# Altium PCB PA_8CH_CTRL.PcbDoc (part 6 of 10)
Units mm, origin at the board's own origin, x right, y up, seen from the top; angles counter-clockwise.
Board outline 390 x 110 mm, 4 copper layers (Component Side, Signal Layer 1, Power Plane, Solder Side), stack 1.604 mm thick; 833 components, 525 nets, 2536 pads, 1881 vias.
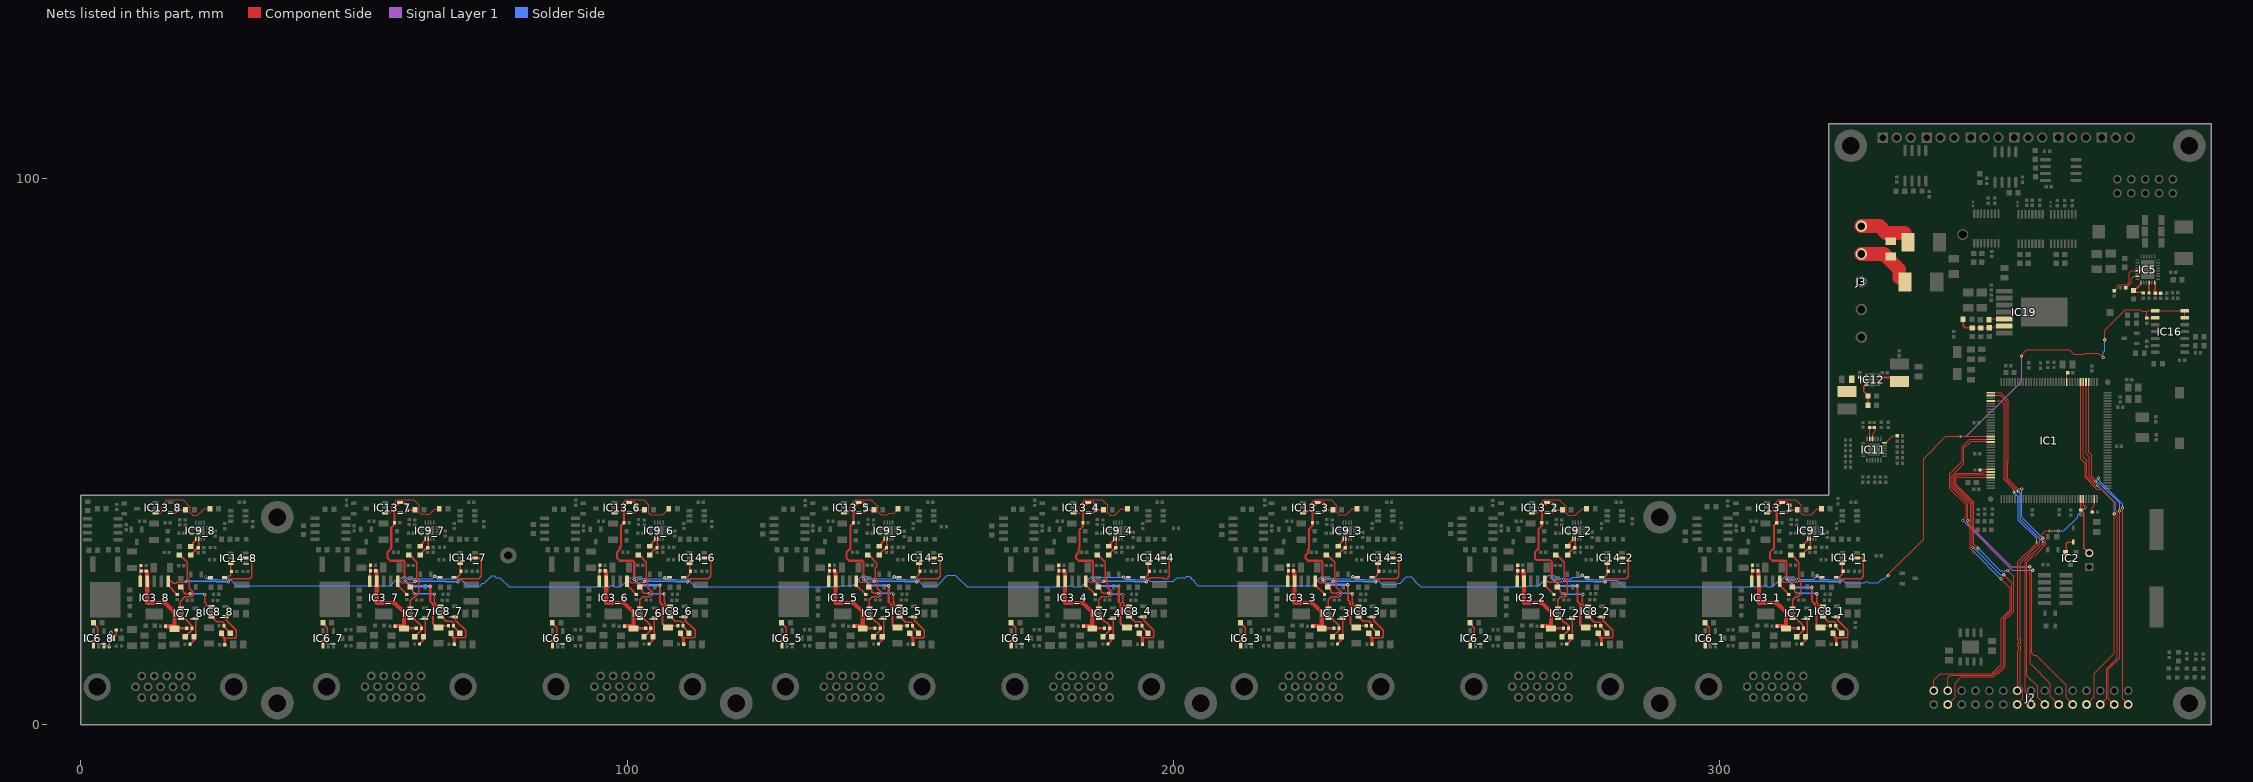
[diagram p8: the nets of this part, all layers, seen from the top]

## Via types
v1: diameter 0.6, hole 0.3, Component Side to Solder Side, tented both sides, 1530 vias
v2: diameter 0.6, hole 0.3, Component Side to Solder Side, 351 vias

## Nets (pads, with @x,y where several pads share a name; then routed paths per layer and width w, separated by ;. In a path a pad name is that pad's centre, name@x,y a point inside that pad or via, vN(x,y) a via of type N, cw(c..) or ccw(c..) an arc to the next point about the centre after c; other vN are vias at no path point) (continued)
NetC38_8_2: C38_8.2 IC6_8.3 R44_8.1 | length 7
  Component Side w0.254: IC6_8.3@4.252,14.546 4.341,14.457 5.228,14.457 5.232,14.453 v1(5.232,14.275) ; v1(5.537,16.942) 5.804,16.675 C38_8.2@5.804,15.846 6.515,16.557 R44_8.1@6.515,17.37
  Solder Side w0.254: v1(5.232,14.275) 5.232,16.637 v1(5.537,16.942)
NetC40_1_1: C40_1.1 IC8_1.3 R46_1.1 | length 5.2
  Component Side w0.254: IC8_1.3@319.042,19.751 319.916,18.877 320.958,18.877 321.251,18.584 R46_1.1@321.251,18.161 321.251,17.949 322.343,16.857 C40_1.1@322.343,16.51
NetC40_1_2: C40_1.2 IC8_1.4 R47_1.1 | length 9.2
  Component Side w0.254: 321.36,15.893 321.113,15.893 321.094,15.912 321.341,15.912 323.259,15.912 323.448,16.101 323.448,17.326 321.592,19.182 321.592,19.589 IC8_1.4@321.43,19.751
  Component Side w0.508: C40_1.2@320.743,16.51 321.341,15.912 ; 321.36,15.893 321.36,14.75 R47_1.1@321.378,14.732
NetC40_2_1: C40_2.1 IC8_2.3 R46_2.1 | length 5.2
  Component Side w0.254: IC8_2.3@276.042,19.751 277.018,18.775 278.059,18.775 278.251,18.584 R46_2.1@278.251,18.161 278.251,17.949 279.343,16.857 C40_2.1@279.343,16.51
NetC40_2_2: C40_2.2 IC8_2.4 R47_2.1 | length 9.2
  Component Side w0.254: 278.36,15.893 278.113,15.893 278.094,15.912 278.341,15.912 280.259,15.912 280.448,16.101 280.448,17.326 278.592,19.182 278.592,19.589 IC8_2.4@278.43,19.751
  Component Side w0.508: C40_2.2@277.743,16.51 278.341,15.912 ; 278.36,15.893 278.36,14.75 R47_2.1@278.378,14.732
NetC40_3_1: C40_3.1 IC8_3.3 R46_3.1 | length 5.3
  Component Side w0.254: IC8_3.3@234.042,19.751 234.042,19.646 234.761,18.928 235.907,18.928 236.251,18.584 R46_3.1@236.251,18.161 236.251,17.949 237.343,16.857 C40_3.1@237.343,16.51
NetC40_3_2: C40_3.2 IC8_3.4 R47_3.1 | length 9.2
  Component Side w0.254: 236.36,15.893 236.113,15.893 236.094,15.912 236.341,15.912 238.259,15.912 238.448,16.101 238.448,17.326 236.592,19.182 236.592,19.589 IC8_3.4@236.43,19.751
  Component Side w0.508: C40_3.2@235.743,16.51 236.341,15.912 ; 236.36,15.893 236.36,14.75 R47_3.1@236.378,14.732
NetC40_4_1: C40_4.1 IC8_4.3 R46_4.1 | length 5.2
  Component Side w0.254: IC8_4.3@192.042,19.751 192.916,18.877 193.958,18.877 194.251,18.584 R46_4.1@194.251,18.161 194.251,17.949 195.343,16.857 C40_4.1@195.343,16.51
NetC40_4_2: C40_4.2 IC8_4.4 R47_4.1 | length 9.2
  Component Side w0.254: 194.36,15.893 194.113,15.893 194.094,15.912 194.341,15.912 196.259,15.912 196.448,16.101 196.448,17.326 194.592,19.182 194.592,19.589 IC8_4.4@194.43,19.751
  Component Side w0.508: C40_4.2@193.743,16.51 194.341,15.912 ; 194.36,15.893 194.36,14.75 R47_4.1@194.378,14.732
NetC40_5_1: C40_5.1 IC8_5.3 R46_5.1 | length 5.2
  Component Side w0.254: IC8_5.3@150.042,19.75 151.017,18.775 152.059,18.775 152.251,18.584 R46_5.1@152.251,18.161 152.251,17.949 153.343,16.857 C40_5.1@153.343,16.51
NetC40_5_2: C40_5.2 IC8_5.4 R47_5.1 | length 9.2
  Component Side w0.254: 152.36,15.893 152.113,15.893 152.094,15.912 152.341,15.912 154.259,15.912 154.448,16.101 154.448,17.326 152.592,19.182 152.592,19.589 IC8_5.4@152.43,19.751
  Component Side w0.508: C40_5.2@151.743,16.51 152.341,15.912 ; 152.36,15.893 152.36,14.75 R47_5.1@152.378,14.732
NetC40_6_1: C40_6.1 IC8_6.3 R46_6.1 | length 5.2
  Component Side w0.254: IC8_6.3@108.042,19.751 108.815,18.979 109.856,18.979 110.251,18.584 R46_6.1@110.251,18.161 110.251,17.949 111.343,16.857 C40_6.1@111.343,16.51
NetC40_6_2: C40_6.2 IC8_6.4 R47_6.1 | length 9.2
  Component Side w0.254: 110.36,15.893 110.113,15.893 110.094,15.912 110.341,15.912 112.259,15.912 112.448,16.101 112.448,17.326 110.592,19.182 110.592,19.589 IC8_6.4@110.43,19.751
  Component Side w0.508: C40_6.2@109.743,16.51 110.341,15.912 ; 110.36,15.893 110.36,14.75 R47_6.1@110.378,14.732
NetC40_7_1: C40_7.1 IC8_7.3 R46_7.1 | length 5.2
  Component Side w0.254: IC8_7.3@66.042,19.751 66.865,18.928 67.907,18.928 68.251,18.584 R46_7.1@68.251,18.161 68.251,17.949 69.343,16.857 C40_7.1@69.343,16.51
NetC40_7_2: C40_7.2 IC8_7.4 R47_7.1 | length 9.2
  Component Side w0.254: 68.36,15.893 68.113,15.893 68.094,15.912 68.341,15.912 70.259,15.912 70.448,16.101 70.448,17.326 68.592,19.182 68.592,19.589 IC8_7.4@68.43,19.751
  Component Side w0.508: C40_7.2@67.743,16.51 68.341,15.912 ; 68.36,15.893 68.36,14.75 R47_7.1@68.378,14.732
NetC40_8_1: C40_8.1 IC8_8.3 R46_8.1 | length 5.2
  Component Side w0.254: IC8_8.3@24.042,19.722 24.862,18.902 25.903,18.902 26.251,18.555 R46_8.1@26.251,18.132 26.251,17.92 27.343,16.828 C40_8.1@27.343,16.481
NetC40_8_2: C40_8.2 IC8_8.4 R47_8.1 | length 9.2
  Component Side w0.254: 26.36,15.864 26.113,15.864 26.094,15.883 26.341,15.883 28.259,15.883 28.448,16.072 28.448,17.297 26.592,19.153 26.592,19.56 IC8_8.4@26.43,19.722
  Component Side w0.508: C40_8.2@25.743,16.481 26.341,15.883 ; 26.36,15.864 26.36,14.721 R47_8.1@26.378,14.703
NetC41_1_1: C41_1.1 IC7_1.4 R48_1.1 | length 5.1
  Component Side w0.254: R48_1.1@315.03,14.806 315.735,15.511 C41_1.1@315.735,16.131 316.026,16.422 316.026,19.456 IC7_1.4@315.985,19.497
NetC41_1_2: C41_1.2 IC7_1.3 R49_1.1 | length 5.1
  Component Side w0.254: IC7_1.3@313.385,19.497 314.038,19.497 314.304,19.231 314.304,19.115 314.644,18.775 314.76,18.775 315.355,18.18 R49_1.1@315.355,17.707 ; C41_1.2@314.135,16.131 315.358,17.354 R49_1.1@315.358,17.707
NetC41_2_1: C41_2.1 IC7_2.4 R48_2.1 | length 5.1
  Component Side w0.254: R48_2.1@272.03,14.806 272.735,15.511 C41_2.1@272.735,16.131 273.026,16.422 273.026,19.456 IC7_2.4@272.985,19.497
NetC41_2_2: C41_2.2 IC7_2.3 R49_2.1 | length 5.2
  Component Side w0.254: IC7_2.3@270.385,19.497 271.038,19.497 271.328,19.208 271.328,19.013 271.667,18.674 271.862,18.674 272.355,18.18 R49_2.1@272.355,17.707 ; C41_2.2@271.135,16.131 272.358,17.354 R49_2.1@272.358,17.707
NetC41_3_1: C41_3.1 IC7_3.4 R48_3.1 | length 5.1
  Component Side w0.254: R48_3.1@230.03,14.806 230.735,15.511 C41_3.1@230.735,16.131 231.026,16.422 231.026,19.456 IC7_3.4@230.985,19.497
NetC41_3_2: C41_3.2 IC7_3.3 R49_3.1 | length 5.1
  Component Side w0.254: IC7_3.3@228.385,19.497 229.038,19.497 229.24,19.296 229.24,19.242 229.579,18.902 229.633,18.902 230.355,18.18 R49_3.1@230.355,17.707 ; C41_3.2@229.135,16.131 230.358,17.354 R49_3.1@230.358,17.707
NetC41_4_1: C41_4.1 IC7_4.4 R48_4.1 | length 5.1
  Component Side w0.254: R48_4.1@188.03,14.806 188.735,15.511 C41_4.1@188.735,16.131 189.026,16.422 189.026,19.456 IC7_4.4@188.985,19.497
NetC41_4_2: C41_4.2 IC7_4.3 R49_4.1 | length 5.2
  Component Side w0.254: IC7_4.3@186.385,19.497 187.038,19.497 187.304,19.231 187.304,19.089 187.644,18.75 187.785,18.75 188.355,18.18 R49_4.1@188.355,17.707 ; C41_4.2@187.135,16.131 188.358,17.354 R49_4.1@188.358,17.707
NetC41_5_1: C41_5.1 IC7_5.4 R48_5.1 | length 5.1
  Component Side w0.254: R48_5.1@146.03,14.806 146.735,15.511 C41_5.1@146.735,16.131 147.026,16.422 147.026,19.456 IC7_5.4@146.985,19.497
NetC41_5_2: C41_5.2 IC7_5.3 R49_5.1 | length 5.1
  Component Side w0.254: IC7_5.3@144.385,19.497 145.038,19.497 145.09,19.446 145.09,19.318 145.658,18.75 145.759,18.75 146.355,18.154 R49_5.1@146.355,17.707 ; C41_5.2@145.135,16.131 146.358,17.354 R49_5.1@146.358,17.707
NetC41_6_1: C41_6.1 IC7_6.4 R48_6.1 | length 5.1
  Component Side w0.254: R48_6.1@104.03,14.806 104.735,15.511 C41_6.1@104.735,16.131 105.026,16.422 105.026,19.456 IC7_6.4@104.985,19.497
NetC41_6_2: C41_6.2 IC7_6.3 R49_6.1 | length 5.1
  Component Side w0.254: IC7_6.3@102.385,19.497 103.038,19.497 103.23,19.305 103.23,19.267 103.57,18.928 103.608,18.928 104.355,18.18 R49_6.1@104.355,17.707 ; C41_6.2@103.135,16.131 104.358,17.354 R49_6.1@104.358,17.707
NetC41_7_1: C41_7.1 IC7_7.4 R48_7.1 | length 5.1
  Component Side w0.254: R48_7.1@62.03,14.806 62.735,15.511 C41_7.1@62.735,16.131 63.026,16.422 63.026,19.456 IC7_7.4@62.985,19.497
NetC41_7_2: C41_7.2 IC7_7.3 R49_7.1 | length 5.1
  Component Side w0.254: IC7_7.3@60.385,19.497 61.038,19.497 61.27,19.266 61.27,19.166 61.609,18.826 61.709,18.826 62.355,18.18 R49_7.1@62.355,17.707 ; C41_7.2@61.135,16.131 62.358,17.354 R49_7.1@62.358,17.707
NetC41_8_1: C41_8.1 IC7_8.4 R48_8.1 | length 5.1
  Component Side w0.254: R48_8.1@20.03,14.777 20.735,15.482 C41_8.1@20.735,16.102 21.026,16.393 21.026,19.427 IC7_8.4@20.985,19.468
NetC41_8_2: C41_8.2 IC7_8.3 R49_8.1 | length 5.1
  Component Side w0.254: IC7_8.3@18.385,19.468 19.038,19.468 19.385,19.121 19.385,19.115 20.355,18.145 R49_8.1@20.355,17.678 ; C41_8.2@19.135,16.102 20.358,17.325 R49_8.1@20.358,17.678
NetC48_1_2: C48_1.2 IC9_1.14 R56_1.2 | length 3.9
  Component Side w0.254: R56_1.2@315.041,31.192 315.041,31.081 315.797,31.837 315.868,31.837 315.899,31.868 315.899,31.983 316.063,32.147 316.178,32.147 C48_1.2@316.488,32.458 ; C48_1.2@316.476,32.47 316.594,32.589 316.594,33.081 316.59,33.085 316.59,34.081 IC9_1.14@316.594,34.085
NetC48_2_2: C48_2.2 IC9_2.14 R56_2.2 | length 3.9
  Component Side w0.254: R56_2.2@272.041,31.192 272.041,31.081 272.797,31.837 272.868,31.837 272.899,31.868 272.899,31.983 273.063,32.147 273.178,32.147 C48_2.2@273.488,32.458 ; C48_2.2@273.476,32.47 273.594,32.589 273.594,33.13 273.563,33.161 273.563,34.054 IC9_2.14@273.594,34.085
NetC48_3_2: C48_3.2 IC9_3.14 R56_3.2 | length 3.9
  Component Side w0.254: R56_3.2@230.041,31.192 230.041,31.081 230.797,31.837 230.868,31.837 230.899,31.868 230.899,31.983 231.063,32.147 231.178,32.147 C48_3.2@231.488,32.458 ; C48_3.2@231.476,32.47 231.594,32.589 231.594,33.017 231.526,33.085 231.526,34.017 IC9_3.14@231.594,34.085
NetC48_4_2: C48_4.2 IC9_4.14 R56_4.2 | length 3.9
  Component Side w0.254: R56_4.2@188.041,31.192 188.041,31.081 188.797,31.837 188.868,31.837 188.899,31.868 188.899,31.983 189.063,32.147 189.178,32.147 C48_4.2@189.488,32.458 ; C48_4.2@189.476,32.47 189.594,32.589 189.594,33.107 189.514,33.186 189.514,34.005 IC9_4.14@189.594,34.085
NetC48_5_2: C48_5.2 IC9_5.14 R56_5.2 | length 3.9
  Component Side w0.254: R56_5.2@146.041,31.192 146.041,31.081 146.797,31.837 146.868,31.837 146.899,31.868 146.899,31.983 147.063,32.147 147.178,32.147 C48_5.2@147.488,32.458 ; C48_5.2@147.476,32.47 147.594,32.589 147.594,33.044 147.579,33.059 147.579,34.07 IC9_5.14@147.594,34.085
NetC48_6_2: C48_6.2 IC9_6.14 R56_6.2 | length 3.9
  Component Side w0.254: R56_6.2@104.041,31.192 104.041,31.081 104.797,31.837 104.868,31.837 104.899,31.868 104.899,31.983 105.063,32.147 105.178,32.147 C48_6.2@105.488,32.458 ; C48_6.2@105.476,32.47 105.594,32.589 105.594,32.982 105.567,33.009 105.567,34.058 IC9_6.14@105.594,34.085
NetC48_7_2: C48_7.2 IC9_7.14 R56_7.2 | length 3.9
  Component Side w0.254: R56_7.2@62.041,31.192 62.041,31.081 62.797,31.837 62.868,31.837 62.899,31.868 62.899,31.983 63.063,32.147 63.178,32.147 C48_7.2@63.488,32.458 ; C48_7.2@63.476,32.47 63.594,32.589 IC9_7.14@63.594,34.085
NetC48_8_2: C48_8.2 IC9_8.14 R56_8.2 | length 3.9
  Component Side w0.254: R56_8.2@20.041,31.163 20.041,31.052 20.828,31.839 20.899,31.839 20.899,31.954 21.063,32.118 21.178,32.118 C48_8.2@21.488,32.429 ; C48_8.2@21.476,32.441 21.594,32.56 IC9_8.14@21.594,34.056
NetC57_2: C57.2 C58.2 IC12.2 IC12.3 L1.2
NetC62_2: C62.2 IC5.14 R20.2 | length 3
  Component Side w0.254: IC5.14@379.63,80.953 379.71,80.873 379.71,79.823 379.63,79.743 379.63,79.175 C62.2@379.777,79.028 380.737,79.028 R20.2@380.742,79.022
NetC70_2: C70.2 IC19.5 | length 2.8
  Component Side w0.152: C70.2@349.325,74.195 349.43,74.3 IC19.5@352.125,74.3
NetC71_1: C71.1 C72.1 IC19.6 R30.1 R31.2 | length 9.1
  Component Side w0.152: C71.1@346.275,72.67 350.095,72.67 350.5,73.075 352.08,73.075 IC19.6@352.125,73.03
  Component Side w0.254: R31.2@344.575,74.225 344.575,73.025 344.93,72.67 C71.1@346.275,72.67
NetC73_1: C73.1 J3.4 L5.1 | length 9.6
  Component Side w2.54: J3.4@325.958,86.208 330.067,86.208 332.888,83.387 L5.1@332.888,81.837
NetC73_2: C73.2 J3.5 L4.1 | length 8.4
  Component Side w2.54: J3.5@325.958,91.288 329.26,91.288 330.486,90.061 333.836,90.061
NetD2_1_1: D2_1.1 D2_2.1 D2_3.1 D2_4.1 D2_5.1 D2_6.1 D2_7.1 D2_8.1 IC1.89 IC16.1 IC16.2 IC16.13 IC16.14 R92.2 | length 437.6
  Component Side w0.152: v1(22.835,27.076) 22.931,26.98 D2_8.1@23.748,26.98 ; v1(64.821,27.229) 65.583,27.229 D2_7.1@65.634,27.178 ; D2_7.1@65.71,27.047 D2_7.1@65.748,27.009 ; v1(106.909,26.949) 107.688,26.949 D2_6.1@107.748,27.009 ; v1(148.92,27.102) 149.655,27.102 D2_5.1@149.748,27.009 ; v1(190.83,27.051) 191.706,27.051 D2_4.1@191.748,27.009 ; v1(232.867,27.102) 233.655,27.102 D2_3.1@233.748,27.009 ; v1(274.845,27.39) 275.057,27.178 D2_2.1@275.59,27.178 ; v1(317.856,27.28) 318.126,27.009 D2_1.1@318.748,27.009 ; v1(330.86,27.33) 330.86,27.534 337.337,34.011 337.337,48.743 341.389,52.795 v1(343.992,52.795) IC1.89@349.624,52.795 ; v1(355.249,67.5) 355.249,67.692 356.25,68.693 363.972,68.693 364.842,67.823 366.825,67.823 367.03,68.028 369.207,68.028 369.397,67.838 369.662,67.838 370.142,67.358 370.142,67.142 v1(370.25,67.25) ; v2(370.5,70.5) 370.5,72.25 374.25,76 377,76 377.329,75.671 378.175,75.671 ; IC16.2@379.724,74.54 379.654,74.47 R92.2@378.175,74.47 378.175,75.671 ; IC16.13@385.124,74.54 IC16.14@385.124,75.81 IC16.1@379.724,75.81 378.314,75.81 378.175,75.671
  Signal Layer 1 w0.152: v1(343.992,52.795) 345.179,52.795 355.321,62.936 355.321,67.429 v1(355.249,67.5)
  Solder Side w0.152: v1(22.835,27.076) 23.266,26.645 24.963,26.645 25.065,26.543 26.659,26.543 26.832,26.716 27.27,26.716 28.486,25.5 54.963,25.5 55.402,25.5 ; 55.402,25.5 56.691,25.5 57.941,26.75 58.565,26.75 58.963,27.148 59.401,27.148 59.799,26.75 60.963,26.75 61.034,26.821 61.472,26.821 61.543,26.75 64.342,26.75 v1(64.821,27.229) 65.3,26.75 69.5,26.75 70.75,25.5 73.114,25.5 73.543,25.929 73.859,25.929 74.88,26.949 74.96,26.949 74.96,26.965 75.27,27.275 75.708,27.275 76.017,26.965 76.017,26.903 76.245,26.903 76.286,26.945 76.724,26.945 78.418,25.25 96.713,25.25 96.964,25.5 97.402,25.5 97.652,25.25 98.859,25.25 100.559,26.949 100.903,26.949 101.102,27.148 101.54,27.148 101.937,26.75 102.963,26.75 103.034,26.821 103.472,26.821 103.543,26.75 106.709,26.75 v1(106.909,26.949) 107.184,26.674 108.963,26.674 109.065,26.572 110.659,26.572 110.832,26.745 111.27,26.745 111.58,26.435 111.58,26.17 112.5,25.25 138.713,25.25 138.964,25.5 139.402,25.5 141.288,25.5 143.062,27.275 143.5,27.275 144.025,26.75 144.963,26.75 145.034,26.821 145.472,26.821 145.543,26.75 148.568,26.75 v1(148.92,27.102) 149.348,26.674 150.963,26.674 151.065,26.572 152.659,26.572 152.832,26.745 153.27,26.745 153.58,26.435 153.58,26.17 154.25,25.5 156.75,25.5 158.626,27.376 160.124,27.376 162.25,25.25 180.713,25.25 180.964,25.5 181.402,25.5 181.652,25.25 183.151,25.25 185.074,27.173 185.512,27.173 185.634,27.051 v1(190.83,27.051) 191.208,26.674 192.963,26.674 193.065,26.572 194.659,26.572 194.832,26.745 195.27,26.745 195.58,26.435 195.58,26.42 195.75,26.25 199.961,26.25 200.686,26.975 202.275,26.975 202.498,27.199 202.936,27.199 203.246,26.889 203.246,26.754 203.309,26.691 203.521,26.691 203.83,26.381 203.83,26.17 204.5,25.5 222.963,25.5 223.402,25.5 225.514,25.5 227.111,27.097 227.549,27.097 227.896,26.75 228.963,26.75 229.034,26.821 229.472,26.821 229.543,26.75 232.515,26.75 v1(232.867,27.102) 233.295,26.674 234.963,26.674 235.065,26.572 236.659,26.572 236.832,26.745 237.27,26.745 238.265,25.75 240.928,25.75 241.106,25.929 241.513,25.929 242.656,27.072 243.576,27.072 244.165,26.483 244.165,26.335 245.25,25.25 264.713,25.25 264.964,25.5 265.402,25.5 266.851,25.5 268.753,27.402 269.598,27.402 270.25,26.75 270.909,26.75 271.028,26.868 271.466,26.868 271.584,26.75 272.825,26.75 273.075,27 274.455,27 v1(274.845,27.39) 275.561,26.674 276.963,26.674 277.065,26.572 278.659,26.572 278.832,26.745 279.27,26.745 279.515,26.5 281.261,26.5 282.511,25.25 307.713,25.25 307.964,25.5 308.402,25.5 308.652,25.25 309.654,25.25 310.904,26.5 311.299,26.5 312.049,27.249 312.487,27.249 312.796,26.94 312.796,26.785 313.081,26.5 313.661,26.5 314.03,26.868 314.468,26.868 314.663,26.674 317.25,26.674 v1(317.856,27.28) 318.462,26.674 319.963,26.674 320.065,26.572 321.659,26.572 321.832,26.745 322.27,26.745 323.015,26 326.547,26 326.704,26.157 327.142,26.157 327.3,26 327.563,26 327.593,26.03 328.031,26.03 328.062,26 329.062,26 329.803,26.741 330.159,26.741 330.556,27.138 330.556,27.28 ; v1(370.25,67.25) 370.25,68.25 370.5,68.5 v2(370.5,70.5)
NetD2_1_2: D2_1.2 IC14_1.3 R88_1.1 | length 3.4
  Component Side w0.254: D2_1.2@321.348,27.009 321.929,27.009 322.448,27.528 IC14_1.3@322.448,29.61
NetD2_2_2: D2_2.2 IC14_2.3 R88_2.1 | length 3.4
  Component Side w0.254: D2_2.2@278.348,27.009 278.929,27.009 279.448,27.528 IC14_2.3@279.448,29.61
NetD2_3_2: D2_3.2 IC14_3.3 R88_3.1 | length 3.4
  Component Side w0.254: D2_3.2@236.348,27.009 236.929,27.009 237.448,27.528 IC14_3.3@237.448,29.61
NetD2_4_2: D2_4.2 IC14_4.3 R88_4.1 | length 3.4
  Component Side w0.254: D2_4.2@194.348,27.009 194.929,27.009 195.448,27.528 IC14_4.3@195.448,29.61
NetD2_5_2: D2_5.2 IC14_5.3 R88_5.1 | length 3.4
  Component Side w0.254: D2_5.2@152.348,27.009 152.929,27.009 153.448,27.528 IC14_5.3@153.448,29.61
NetD2_6_2: D2_6.2 IC14_6.3 R88_6.1 | length 3.4
  Component Side w0.254: D2_6.2@110.348,27.009 110.929,27.009 111.448,27.528 IC14_6.3@111.448,29.61
NetD2_7_2: D2_7.2 IC14_7.3 R88_7.1 | length 3.4
  Component Side w0.254: D2_7.2@68.348,27.009 68.929,27.009 69.448,27.528 IC14_7.3@69.448,29.61
NetD2_8_2: D2_8.2 IC14_8.3 R88_8.1 | length 3.4
  Component Side w0.254: D2_8.2@26.348,26.98 26.929,26.98 27.448,27.499 IC14_8.3@27.448,29.581
NetD5_1: D5.1 IC2.2 | length 3.1
  Component Side w0.254: IC2.2@363.322,31.547 363.5,31.725 363.5,33.25 363.7,33.45 D5.1@364.75,33.45
NetIC1_40: IC1.40 J2.2 | length 62.6
  Component Side w0.152: IC1.40@367.574,62.745 367.574,49.9 368.122,49.352 368.122,45.48 368.513,45.09 369.295,45.09 v1(369.367,45.161) ; v1(373.761,39.751) 373.751,39.741 373.751,4.759 J2.2@374.78,3.73
  Solder Side w0.152: v1(369.367,45.161) 369.367,44.816 373.761,40.422 v1(373.761,39.751)
NetIC1_41: IC1.41 J2.4 | length 63.2
  Component Side w0.152: IC1.41@367.074,62.745 367.074,49.587 367.665,48.997 367.665,45.507 368.62,44.552 v1(368.833,44.552) ; J2.4@372.24,3.73 371.145,4.825 371.145,10.16 373.202,12.217 v1(373.202,39.192)
  Solder Side w0.152: v1(368.833,44.552) 369.041,44.344 369.408,44.344 373.202,40.549 v1(373.202,39.192)
NetIC1_42: IC1.42 J2.8 | length 63.7
  Component Side w0.152: IC1.42@366.574,62.745 366.574,49.071 367.208,48.438 367.208,45.43 368.822,43.815 v1(369.189,43.815) ; J2.8@367.16,3.73 368.554,5.124 368.554,9.423 372.237,13.106 v1(372.237,38.659)
  Solder Side w0.152: v1(369.189,43.815) 372.237,40.767 v1(372.237,38.659)
NetIC1_43: IC1.43 J2.6 | length 63.6
  Component Side w0.152: IC1.43@366.074,62.745 366.074,48.758 366.903,47.93 366.903,45.303 369.077,43.129 369.967,43.129 372.486,40.61 372.486,39.161 372.766,38.881 372.766,12.212 370.84,10.286 370.84,4.87 J2.6@369.7,3.73
NetIC1_48: IC1.48 R2.2 | length 1.8
  Component Side w0.152: IC1.48@363.574,62.745 363.574,64.324 R2.2@363.715,64.465
NetIC1_73: IC1.73 J2.14 | length 65.8
  Component Side w0.152: IC1.73@349.624,60.795 351.498,60.795 352.831,59.461 352.831,48.158 352.76,48.087 352.76,45.029 354.482,43.307 355.194,43.307 v1(355.321,43.18) ; v1(359.156,34.188) 359.156,34.072 359.735,33.493 359.735,33.055 357.841,31.161 357.591,31.161 356.24,29.81 356.24,9.012 358.216,7.036 358.216,5.054 J2.14@359.54,3.73
  Solder Side w0.152: v1(355.321,43.18) 355.321,38.024 v1(359.156,34.188)
NetIC1_74: IC1.74 J2.16 | length 63.4
  Component Side w0.152: IC1.74@349.624,60.295 351.439,60.295 352.455,59.279 352.455,44.903 354.152,43.206 354.152,43.18 354.559,42.774 v1(354.635,42.774) ; J2.16@357,3.73 357,4.815 355.935,5.88 355.935,30.002 v1(359.207,33.274)
  Solder Side w0.152: v1(354.635,42.774) 354.99,42.418 354.99,37.606 359.207,33.39 v1(359.207,33.274)
NetIC1_76: IC1.76 J2.17 | length 59.4
  Component Side w0.152: IC1.76@349.624,59.295 351.449,59.295 352.069,58.674 352.069,44.831 353.873,43.028 v1@353.873,42.621 ; J2.17@354.46,6.27 354.609,6.419 354.609,13.612 354.779,13.781 354.779,14.219 354.609,14.388 354.609,14.863 354.778,15.031 354.778,15.469 354.609,15.637 354.609,29.87 v1(358.115,33.376)
  Solder Side w0.152: v1(353.873,42.57) 354.686,41.758 354.686,37.48 358.013,34.153 358.013,33.477 v1(358.115,33.376)
NetIC1_90: IC1.90 J2.10 | length 66.3
  Component Side w0.152: v1(344.475,37.414) 345.13,38.07 345.13,40.264 342.143,43.251 342.143,43.574 342.139,43.574 342.138,43.576 342.138,45.974 344.424,48.26 344.424,50.927 345.792,52.295 IC1.90@349.624,52.295 ; v1(357.302,28.296) 357.149,28.143 357.149,13.103 357.531,12.721 357.992,12.721 363.423,7.29 363.423,4.927 J2.10@364.62,3.73
  Signal Layer 1 w0.152: v1(344.475,37.414) 353.593,28.296 v1(357.302,28.296)
NetIC1_91: IC1.91 J2.12 | length 63.5
  Component Side w0.152: v1(345.415,37.414) 345.458,37.414 345.458,40.564 342.448,43.574 342.448,45.53 344.729,47.812 344.729,50.597 346.024,51.892 349.527,51.892 IC1.91@349.624,51.795 ; v1(356.768,28.931) 356.768,27.762 356.819,27.711 356.819,11.252 360.569,7.503 360.569,5.241 J2.12@362.08,3.73
  Signal Layer 1 w0.152: v1(345.415,37.414) 345.415,36.905 353.389,28.931 v1(356.768,28.931)
NetIC1_101: IC1.101 R3.1 | length 2
  Component Side w0.152: R3.1@347.688,46.66 347.823,46.795 IC1.101@349.624,46.795
NetIC1_102: IC1.102 J2.29 | length 62.2
  Component Side w0.152: J2.29@339.22,6.27 339.22,8.207 340.399,9.386 349.797,9.386 351.531,11.12 351.531,19.41 352.827,20.706 352.847,20.706 353.208,21.066 353.208,25.042 v1(351.5,26.75) ; v1(346.481,31.648) 346.172,31.958 346.161,31.958 345.851,32.268 345.851,37.052 345.943,37.144 345.943,40.51 342.752,43.701 342.752,45.404 343.419,46.071 344.362,46.071 344.378,46.055 348.006,46.055 348.246,46.295 IC1.102@349.624,46.295
  Solder Side w0.152: v1(346.481,31.648) 351.38,26.75 v1(351.5,26.75)